# Allegro board Chronos.brd (continued)
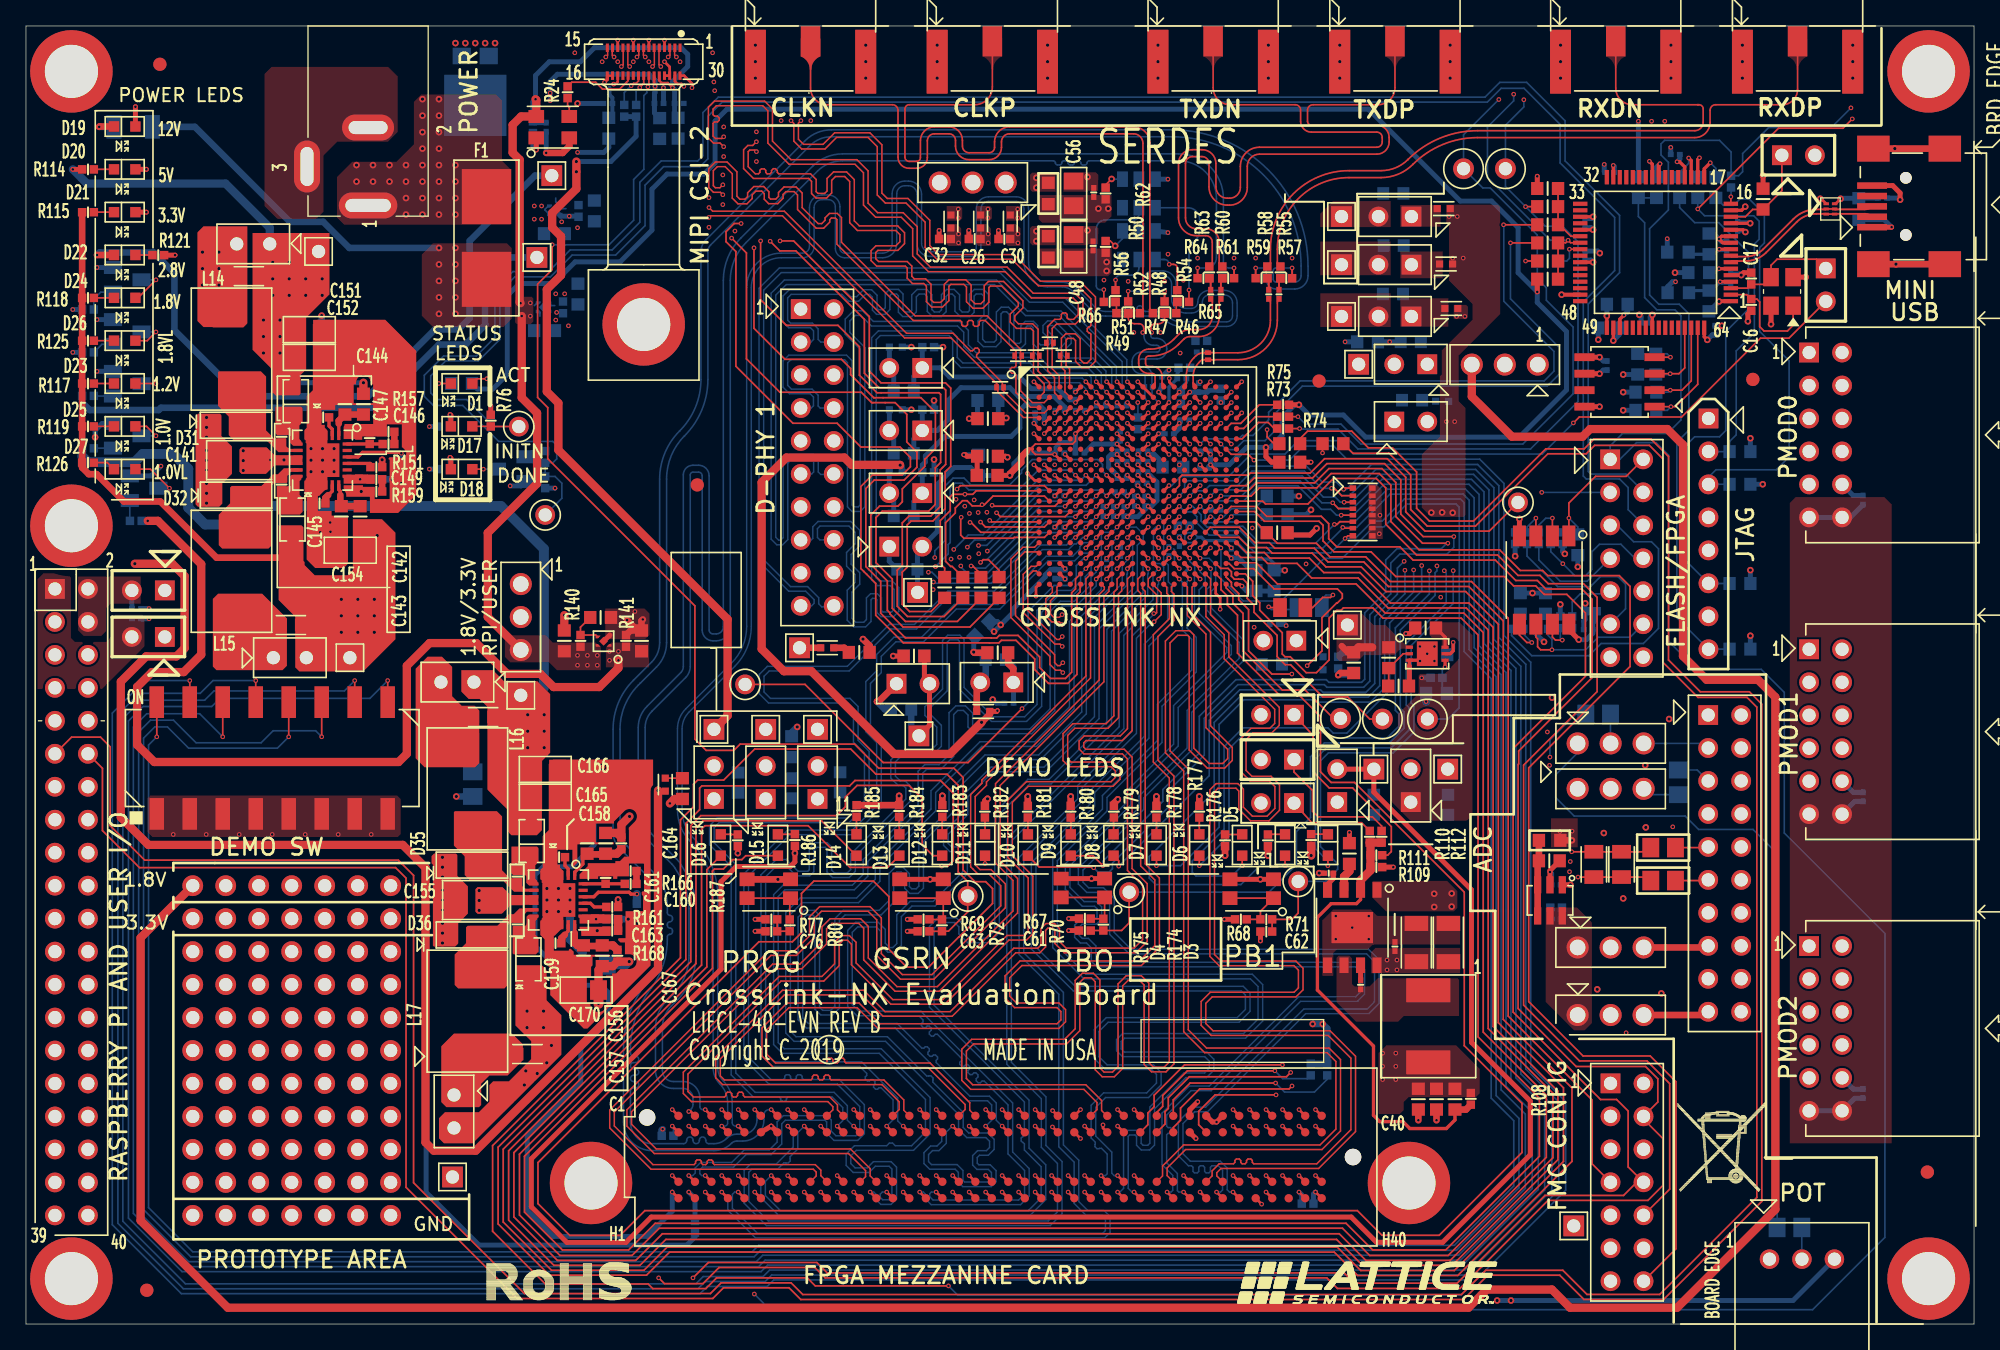
[diagram p0: board, top side]
## Footprints (pads in the part's own frame, mm; a bottom-side part is the same pattern mirrored in y, then rotated) (continued)
UDFN6_040
  rect 0.22x0.42 smd: 1(-0.4,-0.325) 2(0,-0.325) 3(0.4,-0.325) 4(0.4,0.325) 5(0,0.325) 6(-0.4,0.325)
unnamed#2
  round 6.35 hole 4.089 unplated: (0,0)
unnamed#3
  round 1.021 smd: (0,0)
USB_MINI_B-1734035-2
  round 0.9 hole 0.9 unplated: (-2.2,5.25) (2.2,5.25)
  rect 0.5x2.3 smd: 1(-1.6,7.85) 2(-0.8,7.85) 3(0,7.85) 4(0.8,7.85) 5(1.6,7.85)
  rect 2x2.5 smd: 6(-4.45,7.75) 7(-4.45,2.25) 8(4.45,2.25) 9(4.45,7.75)
V12P10
  rect 1.4x1.27 smd: 1(-1.039,-2.766) 2(1.039,-2.766)
  rect 4.8x4.72 smd: 3(0,1.039)
XTAL_4P_7M
  rect 1.4x1.2 smd: 1(-1.1,-0.85) 2(1.1,-0.85) 3(1.1,0.85) 4(-1.1,0.85)
XTAL_AK5DAF1
  rect 0.84x1.2 smd: 1(-1.27,-1.1) 2(0,-1.1) 3(1.27,-1.1) 4(1.27,1.1) 5(0,1.1) 6(-1.27,1.1)

## Nets
+12.0V: C97.1 C98.1 C99.1 C141.1 C155.1 F1.2 R113.2 R151.1 R161.1 U9.C35(12V0#C35) U9.C37(12V0#C37) U10.1(EN) U10.8(VIN) U15.9(VIN1) U15.10(VIN2) U16.9(VIN1) U16.10(VIN2)
GND: AA11.1(TP) AB11.1(TP) AC11.1(TP) AD11.1(TP) AE11.1(TP) AF11.1(TP) AG11.1(TP) C1.2 C2.2 C3.2 C4.2 C5.1 C6.1 C7.2 C8.2 C9.2 C10.1 C11.2 C12.2 C13.2 C14.1 C15.2 C16.1 C17.1 C18.2 C19.2 C20.2 C21.2 C22.2 C23.2 C24.2 C25.2 C26.2 C27.2 C28.2 C29.2 C30.2 C31.2 C32.2 C33.2 C34.2 C35.2 C36.2 C37.2 C38.2 C39.2 C40.2 C41.2 C42.2 C45.1 C46.1 C47.1 C48.2 C49.1 C56.2 C57.1 C58.2 C59.2 C60.2 C61.2 C62.2 C63.2 C64.2 C65.2 C66.2 C67.2 C68.2 C69.2 C70.2 C71.2 C72.2 C73.2 C74.2 C75.2 C76.2 C77.2 C78.2 C79.2 C80.2 C81.2 C82.2 C83.2 C84.2 C85.1 C86.1 C91.2 C92.2 C93.2 C94.2 C95.2 C96.2 C97.2 C98.2 C99.2 C102.2 C103.2 C104.2 C105.2 C106.2 C107.2 C108.2 C109.2 C110.2 C111.2 C112.2 C113.2 C114.2 C115.2 C116.2 C117.2 C118.2 C119.2 C120.2 C121.1 C122.1 C123.1 C124.2 C125.1 C126.2 C127.2 C128.2 C129.2 C130.2 C131.2 C132.2 C133.1 C134.1 C135.2 C136.2 C137.2 C138.2 C139.2 C140.2 C141.2 C144.1 C145.2 C147.2 C148.2 C150.2 C151.2 C152.2 C153.2 C154.2 C155.2 C158.1 C159.2 C161.2 C162.2 C165.2 C166.2 C168.2 C169.2 C170.2 CN1.4(DGND1) CN1.7(DGND2) CN1.10(DGND3) CN1.13(DGND4) CN1.16(DGND5) CN1.17(DGND6) CN1.27(DGND7) CN1.28(DGND8) CN1.30(DGND9) D2.1(GND) D19.1(CATHODE) D20.1(CATHODE) D21.1(CATHODE) D28.1(ANODE1) D28.2(ANODE2) D31.2 D32.2 D35.2 D36.2 J1.7 J2.5(GND) J2.6(CASE#6) J2.7(CASE#7) J2.8(CASE#8) J2.9(CASE#9) J6.1 J6.2 J6.5 J6.6 J6.9 J6.10 J6.13 J6.14 J6.17 J6.18 J10.2(SHIELD1) J10.3(SHIELD2) J10.4(SHIELD3) J10.5(SHIELD4) J11.2(SHIELD1) J11.3(SHIELD2) J11.4(SHIELD3) J11.5(SHIELD4) J12.2(SHIELD1) J12.3(SHIELD2) J12.4(SHIELD3) J12.5(SHIELD4) J13.2 J14.2(SHIELD1) J14.3(SHIELD2) J14.4(SHIELD3) J14.5(SHIELD4) J15.2(SHIELD1) J15.3(SHIELD2) J15.4(SHIELD3) J15.5(SHIELD4) J16.2(SHIELD1) J16.3(SHIELD2) J16.4(SHIELD3) J16.5(SHIELD4) J17.5 J17.11 J18.5 J18.11 J19.5 J19.11 J20.13 J20.14 J25.1 J26.1 J26.2 J26.4 J26.6 J26.7 J26.8 J26.10 J26.12 J26.13 J26.14 J26.16 J26.17 J26.18 J26.20 J27.5 J27.6 J27.11 J27.12 J39.2(GND#2) J39.3(GND#3) JP1.2 JP5.6 JP5.9 JP5.14 JP5.20 JP5.25 JP5.30 JP5.34 JP5.39 JP6.2 JP7.2 JP8.2 Q1.2(EMITTER) Q2.2(EMITTER) Q3.2(EMITTER) Q4.2(EMITTER) Q5.2(EMITTER) Q6.2(EMITTER) R4.2 R13.1 R93.2 R105.2 R109.1 R116.2 R120.2 R121.1 R141.2 R144.2 R145.2 R146.2 R147.2 R148.1 R156.2 R157.2 R158.2 R159.2 R160.2 R166.2 R167.2 R168.2 R169.2 R170.2 R171.1 SW1.1(A1) SW1.2(A2) SW1.3(A3) SW1.4(A4) SW1.5(A5) SW1.6(A6) SW1.7(A7) SW1.8(A8) SW2.2 SW2.4 SW3.2 SW3.4 SW4.2 SW4.4 SW5.2 SW5.4 U1.1(GND#1) U1.5(GND#5) U1.10(AGND) U1.11(GND#11) U1.13(TEST) U1.15(GND#15) U1.25(GND#25) U1.35(GND#35) U1.47(GND#47) U1.51(GND#51) U2.5(VSS) U3.A1(VSSADPHY#A1) U3.A5(VSSADPHY#A5) U3.A11(VSSSD5) U3.A14(VSSSD6) U3.A17(VSSSD11) U3.A20(VSSSD3) U3.B12(VSSSD4) U3.B16(VSSSD9) U3.B19(VSSSD2) U3.C3(VSSADPHY#C3) U3.C6(VSSADPHY#C6) U3.C8(VSSADPHY#C8) U3.C10(VSSADPHY#C10) U3.C15(VSSSD1) U3.C17(VSSSD10) U3.C19(VSSSD8) U3.D19(VSSSD12) U3.D20(VSSSD7) U3.E1(VSSADPHY#E1) U3.E6(VSS#E6) U3.E14(VSS#E14) U3.F10(VSS#F10) U3.F11(VSS#F11) U3.G9(VSS#G9) U3.G10(VSS#G10) U3.G11(VSS#G11) U3.G12(VSS#G12) U3.G16(VSS#G16) U3.H4(VSS#H4) U3.H10(VSS#H10) U3.H11(VSS#H11) U3.J10(VSS#J10) U3.J11(VSS#J11) U3.J17(VSS#J17) U3.K10(VSS#K10) U3.K11(VSS#K11) U3.L4(VSS#L4) U3.L10(VSS#L10) U3.L11(VSS#L11) U3.M8(VSS#M8) U3.M9(VSS#M9) U3.M10(VSS#M10) U3.M11(VSS#M11) U3.M12(VSS#M12) U3.M13(VSS#M13) U3.N18(VSS#N18) U3.P4(VSS#P4) U3.R14(VSSADC) U3.T15(VSS#T15) U3.T19(VSS#T19) U3.U8(VSS#U8) U3.U9(VSS#U9) U3.V13(VSS#V13) U3.W3(VSS#W3) U3.W16(VSS#W16) U3.Y1(VSS#Y1) U3.Y20(VSS#Y20) U4.3(GND) U5.3(GND) U6.4(GND) U7.2(GND) U8.1 U9.C1(GND#C1) U9.C4(GND#C4) U9.C5(GND#C5) U9.C8(GND#C8) U9.C9(GND#C9) U9.C12(GND#C12) U9.C13(GND#C13) U9.C16(GND#C16) U9.C17(GND#C17) U9.C20(GND#C20) U9.C21(GND#C21) U9.C24(GND#C24) U9.C25(GND#C25) U9.C28(GND#C28) U9.C29(GND#C29) U9.C32(GND#C32) U9.C33(GND#C33) U9.C34(GA0) U9.C36(GND#C36) U9.C38(GND#C38) U9.C40(GND#C40) U9.D2(GND#D2) U9.D3(GND#D3) U9.D6(GND#D6) U9.D7(GND#D7) U9.D10(GND#D10) U9.D13(GND#D13) U9.D16(GND#D16) U9.D19(GND#D19) U9.D22(GND#D22) U9.D25(GND#D25) U9.D28(GND#D28) U9.D35(GA1) U9.D37(GND#D37) U9.D39(GND#D39) U9.G1(GND#G1) U9.G4(GND#G4) U9.G5(GND#G5) U9.G8(GND#G8) U9.G11(GND#G11) U9.G14(GND#G14) U9.G17(GND#G17) U9.G20(GND#G20) U9.G23(GND#G23) U9.G26(GND#G26) U9.G29(GND#G29) U9.G32(GND#G32) U9.G35(GND#G35) U9.G38(GND#G38) U9.G40(GND#G40) U9.H3(GND#H3) U9.H6(GND#H6) U9.H9(GND#H9) U9.H12(GND#H12) U9.H15(GND#H15) U9.H18(GND#H18) U9.H21(GND#H21) U9.H24(GND#H24) U9.H27(GND#H27) U9.H30(GND#H30) U9.H33(GND#H33) U9.H36(GND#H36) U9.H39(GND#H39) U10.5(GND) U10.9(EPAD) U11.2(GND) U11.5(EPAD) U12.2(GND) U12.5(EPAD) U13.3(GND) U13.7(EPAD) U14.2(GND) U14.5(TP) U15.3(GND1) U15.4(GND2) U15.5(GND3) U15.6(GND4) U15.13(GND6) U15.14(GND7) U15.15(GND8) U15.16(GND9) U15.25(GND5) U16.3(GND1) U16.4(GND2) U16.5(GND3) U16.6(GND4) U16.13(GND6) U16.14(GND7) U16.15(GND8) U16.16(GND9) U16.25(GND5) X1.2(G1) X1.4(G2) X2.2(GND)
V1P0_LDO: C137.1 C138.1 FB2.2 FB7.2 L6.2 L7.2 L8.2 L9.2 R133.2 R141.1 TP_V1P0_LDO.1(TP) U14.1(OUT)
V1P2: C19.1 C22.1 C110.1 CN1.25(DVDD1V2) R116.1 R123.2 TP_V1P2.1(TP) U11.1(OUT)
V1P8: AA1.1(TP) AB1.1(TP) AC1.1(TP) AD1.1(TP) AE1.1(TP) AF1.1(TP) AG1.1(TP) C20.1 C23.1 C24.1 C109.1 C135.1 C167.2 C169.1 C170.1 CN1.26(DVDD1V8) D34.2 J33.3 J34.1 J35.1 J36.1 J43.2 J44.3 R23.2 R124.2 R134.1 R135.1 R136.1 R140.2 R150.2 R163.2 R165.1 TP_V1P8.1(TP) U11.3(EN) U11.4(IN) U14.4(IN) X2.4(VDD)
V1P8_ADC_VREF: C83.1 J21.1 J22.1 R93.1 U7.5(OUTS) U7.6(OUTF)
V1P8_LDO: C139.1 C140.1 FB1.2 FB3.2 FB4.2 FB5.2 FB6.2 FB8.2 L4.2 L5.2 R132.2 R143.2 R144.1 TP_V1P8_LDO.1(TP) U13.1(VO)
V1P8_VCCADC18: C85.2 C86.2 J23.2 R94.2 U3.R15(VCCADC18) U8.3
V1P8_VCCAUX: C126.1 C127.1 C128.1 C129.1 C130.1 C131.1 C132.1 C133.2 C134.2 J38.1 R138.1 U3.H9(VCCAUX#H9) U3.K9(VCCAUX#K9) U3.K12(VCCAUX#K12) U3.N8(VCCAUXH5) U3.N10(VCCAUXH4) U3.N12(VCCAUXH3)
V2P8: C18.1 C21.1 C112.1 CN1.18(AF_VDD2V8) CN1.29(AVDD2V8) D22.2(ANODE) R120.1 TP_V2P8.1(TP) U12.1(OUT)
V3P3: AA2.1(TP) AB2.1(TP) AC2.1(TP) AD2.1(TP) AE2.1(TP) AF2.1(TP) AG2.1(TP) C1.1 C2.1 C3.1 C4.1 C5.2 C15.1 C111.1 C136.1 C153.1 C154.1 D30.2 J29.1 J30.1 J32.1 J33.1 J41.2 J44.1 JP3.1 L1.2 L3.2 L10.2 L11.2 L12.2 R9.2 R10.1 R11.1 R12.1 R100.2 R101.2 R115.2 R117.2 R118.2 R119.2 R125.2 R126.2 R128.1 R129.1 R131.1 R142.2 R153.2 R155.1 TP_V3P3.1(TP) U1.20(VCCIO#20) U1.31(VCCIO#31) U1.42(VCCIO#42) U1.50(VREGIN) U1.56(VCCIO#56) U2.6(ORG) U2.8(VCC) U9.C39(3V3#C39) U9.D32(3V3AUX) U9.D36(3V3#D36) U9.D38(3V3#D38) U9.D40(3V3#D40) U12.3(EN) U12.4(IN) U13.6(VCC)
V5P0: C150.1 C151.1 C152.1 D29.2 J40.1 JP4.1 R114.2 R152.1 R154.1 TP_V5P0.1(TP)
VBUS: J2.1(VCC) L2.2
VBUS_5V: C8.1 D2.6(VBUS) L2.1
VCC1_8FT: C11.1 C12.1 C13.1 C14.2 U1.12(VCORE#12) U1.37(VCORE#37) U1.49(VREGOUT) U1.64(VCORE#64)
VCC_CORE_V1P0: C113.1 C114.1 C115.1 C116.1 C117.1 C118.1 C119.1 C120.1 C121.2 C122.2 C123.2 C164.1 C165.1 C166.1 C168.1 D33.2 J42.1 R122.2 R149.2 R162.1 R164.1 TP_VCC_CORE_V1P0.1(TP) U3.F9(VCC#F9) U3.F12(VCC#F12) U3.J9(VCC#J9) U3.J12(VCC#J12) U3.L9(VCC#L9) U3.L12(VCC#L12) U3.N9(VCC#N9) U3.N11(VCC#N11)
VCCIO0: C74.1 C75.1 C77.1 C78.1 J20.10 J28.2 R76.1 R79.2 R81.2 R82.1 R84.2 R85.2 R86.2 R87.2 R127.2 R172.1 TP_VCCIO0.1(TP) U3.E15(VCCIO0) U6.8(VCC)
VCCIO1: C64.1 C65.1 C66.1 J1.1 J29.2 R1.1 R2.1 R3.1 R14.2 R18.2 R19.2 R67.1 R68.1 R69.1 R75.2 R128.2 R174.2 R175.2 R176.2 R177.2 R178.2 R179.2 R180.2 R181.2 TP_VCCIO1.1(TP) U3.G17(VCCIO1#G17) U3.J18(VCCIO1#J18)
VCCIO2: C58.1 C59.1 C60.1 J27.1 J27.2 J30.2 R102.1 R103.1 R104.1 R106.2 R107.2 R129.2 R182.2 R183.2 R184.2 R185.2 R186.2 R187.2 RN1.9 RN1.10(9) RN1.11(9) RN1.12(9) RN1.13(9) RN1.14(9) RN1.15(9) RN1.16(9) TP_VCCIO2.1(TP) U3.N17(VCCIO2#N17) U3.U19(VCCIO2#U19)
VCCIO3: C106.1 C107.1 C108.1 J34.2 R134.2 TP_VCCIO3.1(TP) U3.U13(VCCIO3#U13) U3.V15(VCCIO3#V15)
VCCIO4: C94.1 C95.1 C96.1 J35.2 R135.2 TP_VCCIO4.1(TP) U3.T9(VCCIO4#T9) U3.V8(VCCIO4#V8)
VCCIO5: C91.1 C92.1 C93.1 J36.2 R25.1 R26.1 R136.2 TP_VCCIO5.1(TP) U3.V3(VCCIO5)
VCCIO6: C39.1 C40.1 C41.1 C42.1 J31.2 R130.2 TP_VCCIO6.1(TP) U3.L3(VCCIO6#L3) U3.P3(VCCIO6#P3)
VCCIO7: C67.1 C68.1 C69.1 C70.1 C71.1 C72.1 C73.1 J17.6 J17.12 J18.6 J18.12 J19.6 J19.12 J32.2 R131.2 TP_VCCIO7.1(TP) U3.E5(VCCIO7#E5) U3.H3(VCCIO7#H3)
6_INCH_LONG_TRACE: TP4.1(TP) U3.V18(PR47A) U3.V19(PR47B)
10_INCH_LONG_TRACE: TP5.1(TP) U3.W19(PR49A) U3.Y19(PR49B)
12MHZ: JP2.2 U3.L13(PR17A/PCLKT1_2)
125MHZ: R54.1 U4.4(OP)
125MHZ_N: R56.1 U4.5(ON)
200MHZ: R65.1 U5.4(OP)
200MHZ_N: R66.1 U5.5(ON)
A_IN0: R96.1 U8.2
ADBUS0: R5.1 U1.16(ADBUS0)
ADBUS1: R6.1 U1.17(ADBUS1)
ADBUS2: R7.1 U1.18(ADBUS2)
ADBUS3: R8.1 U1.19(ADBUS3)
ADC_IN0: J24.1 R96.2
ADC_IN1N: J26.11 R99.1 U9.G37(LA33_N)
ADC_IN1P: J26.9 R98.1 U9.G36(LA33_P)
CAM0_0N: CN1.11(DATA0_N) R28.2 U3.C1(DPHY0_DN0)
CAM0_0P: CN1.12(DATA0_P) R28.1 U3.B2(DPHY0_DP0)
CAM0_1N: CN1.8(DATA1_N) R29.2 U3.B3(DPHY0_DN1)
CAM0_1P: CN1.9(DATA1_P) R29.1 U3.A3(DPHY0_DP1)
CAM0_2N: CN1.14(DATA2_N) R30.2 U3.D1(DPHY0_DN2)
CAM0_2P: CN1.15(DATA2_P) R30.1 U3.C2(DPHY0_DP2)
CAM0_3N: CN1.5(DATA3_N) R31.2 U3.B4(DPHY0_DN3)
CAM0_3P: CN1.6(DATA3_P) R31.1 U3.A4(DPHY0_DP3)
CAM0_CLKN: CN1.2(CLK_N) R27.2 U3.B1(DPHY0_CKN)
CAM0_CLKP: CN1.3(CLK_P) R27.1 U3.A2(DPHY0_CKP)
CAM0_MCLK: CN1.20(MCLK) R24.2
CAM_RESET: CN1.24(XCLR) U3.W18(PB84A/LRC_GPLL0T_IN)
CAM_SCL: CN1.23(SCL) R26.2 U3.Y5(PB12A/PCLKT5_3)
CAM_SDA: CN1.22(SDA) R25.2 U3.W5(PB12B/PCLKC5_3/VREF5_2)
CSSPIN: J20.8 R88.1 U3.E13(PT78A/MCSN/PCLKT0_1)
DM: D2.3(NC3) D2.4(D-) J2.2(D-) U1.7(DM)
DONE: J20.4 R82.2 R83.2 TP12.1(TP) U3.D12(PT76B/DONE)
DP: D2.2(NC2) D2.5(D+) J2.3(D+) U1.8(DP)
DPHY1_CKN: J6.4 U3.B8(DPHY1_CKN)
DPHY1_CKP: J6.3 U3.A8(DPHY1_CKP)
DPHY1_DN0: J6.8 U3.B7(DPHY1_DN0)
DPHY1_DN1: J6.12 U3.B9(DPHY1_DN1)
DPHY1_DN2: J6.16 U3.B6(DPHY1_DN2)
DPHY1_DN3: J6.20 U3.B10(DPHY1_DN3)
DPHY1_DP0: J6.7 U3.A7(DPHY1_DP0)
DPHY1_DP1: J6.11 U3.A9(DPHY1_DP1)
DPHY1_DP2: J6.15 U3.A6(DPHY1_DP2)
DPHY1_DP3: J6.19 U3.A10(DPHY1_DP3)
DQ0_MOSI: J20.5 R92.1 U3.D13(PT78B/MOSI/MD0)
DQ1_MISO: J20.7 R89.1 U3.D15(PT80A/MISO/MD1/OSC_HI)
DQ2: J20.11 R91.2 U3.D14(PT80B/MD2)
DQ3: J20.9 R90.1 U3.D16(PT82A/MD3)
FLASH_CS: C79.1 J20.2 R84.1 R88.2 U6.1(CS#)
FMC_CLK0_N: U3.W12(PB58B/PCLKC3_1/ADC_CN6) U9.H5(CLK0-M2C_N)
FMC_CLK0_P: U3.Y12(PB58A/PCLKT3_1/ADC_CP6) U9.H4(CLK0-M2C_P)
FMC_CLK1_N: U3.T7(PB18B/PCLKC4_3) U9.G3(CLK1_M2C_N)
FMC_CLK1_P: U3.R7(PB18A/PCLKT4_3) U9.G2(CLK1_M2C_P)
FMC_LA00_CC_N: U3.U11(PB56B/ADC_CN7) U9.G7(LA00_N_CC)
FMC_LA00_CC_P: U3.V11(PB56A/ADC_CP7) U9.G6(LA00_P_CC)
FMC_LA01_CC_N: U3.V12(PB60B/ADC_CN9) U9.D9(LA01_N_CC)
FMC_LA01_CC_P: U3.W13(PB60A/ADC_CP9) U9.D8(LA01_P_CC)
FMC_LA02_N: U3.Y3(PB8B/PCLKC5_1/LLC_GPLL0C_IN/ADC) U9.H8(LA02_N)
FMC_LA02_P: U3.Y2(PB8A/PCLKT5_1/LLC_GPLL0T_IN/ADC) U9.H7(LA02_P)
FMC_LA03_N: U3.Y6(PB22B) U9.G10(LA03_N)
FMC_LA03_P: U3.W6(PB22A) U9.G9(LA03_P)
FMC_LA04_N: U3.W1(PB6B/PCLKC5_0/CDR_RXN1/ADC_CN1/) U9.H11(LA04_N)
FMC_LA04_P: U3.V1(PB6A/PCLKT5_0/CDR_RXP1/ADC_CP1/) U9.H10(LA04_P)
FMC_LA05_N: U3.R6(PB10B/PCLKC5_2/ADC_CN2/COMP3N) U9.D12(LA05_N)
FMC_LA05_P: U3.R5(PB10A/PCLKT5_2/ADC_CP2/COMP3P) U9.D11(LA05_P)
FMC_LA06_N: U3.Y9(PB38B) U9.C11(LA06_N)
FMC_LA06_P: U3.W9(PB38A) U9.C10(LA06_P)
FMC_LA07_N: U3.V7(PB24B/PCLKC4_2) U9.H14(LA07_N)
FMC_LA07_P: U3.W7(PB24A/PCLKT4_2) U9.H13(LA07_P)
FMC_LA08_N: U3.Y8(PB30B) U9.G13(LA08_N)
FMC_LA08_P: U3.Y7(PB30A) U9.G12(LA08_P)
FMC_LA09_N: U3.U7(PB20B) U9.D15(LA09_N)
FMC_LA09_P: U3.V6(PB20A) U9.D14(LA09_P)
FMC_LA10_N: U3.Y10(PB44B/PCLKC4_0) U9.C15(LA10_N)
FMC_LA10_P: U3.W10(PB44A/PCLKT4_0) U9.C14(LA10_P)
FMC_LA11_N: U3.R10(PB34B) U9.H17(LA11_N)
FMC_LA11_P: U3.P10(PB34A) U9.H16(LA11_P)
FMC_LA12_N: U3.T1(PB4B/CDR_RXN0/ADC_CN0/COMP1N) U9.G16(LA12_N)
FMC_LA12_P: U3.U1(PB4A/CDR_RXP0/VREF5_1/ADC_CP0/C) U9.G15(LA12_P)
FMC_LA13_N: U3.P9(PB32B) U9.D18(LA13_N)
FMC_LA13_P: U3.R9(PB32A) U9.D17(LA13_P)
FMC_LA14_N: U3.Y11(PB54B/PCLKC3_0/ADC_CN5) U9.C19(LA14_N)
FMC_LA14_P: U3.W11(PB54A/PCLKT3_0/VREF3_1/ADC_CP5) U9.C18(LA14_P)
FMC_LA15_N: U3.V9(PB36B) U9.H20(LA15_N)
FMC_LA15_P: U3.W8(PB36A) U9.H19(LA15_P)
FMC_LA16_N: U3.P8(PB26B) U9.G19(LA16_N)
FMC_LA16_P: U3.P7(PB26A) U9.G18(LA16_P)
FMC_LA17_N: U3.V10(PB42B) U9.D21(LA17_N_CC)
FMC_LA17_P: U3.U10(PB42A) U9.D20(LA17_P_CC)
FMC_LA18_CC_N: U3.T8(PB28B) U9.C23(LA18_N_CC)
FMC_LA18_CC_P: U3.R8(PB28A) U9.C22(LA18_P_CC)
FMC_LA19_N: U3.T12(PB62B/ADC_CN10) U9.H23(LA19_N)
FMC_LA19_P: U3.U12(PB62A/ADC_CP10) U9.H22(LA19_P)
FMC_LA20_N: U3.T11(PB40B/PCLKC4_1) U9.G22(LA20_N)
FMC_LA20_P: U3.T10(PB40A/PCLKT4_1) U9.G21(LA20_P)
FMC_LA21_N: U3.R13(PB70B/COMP2IN) U9.H26(LA21_N)
FMC_LA21_P: U3.P13(PB70A/COMP2IP) U9.H25(LA21_P)
FMC_LA22_N: U3.U14(PB68B/ADC_CN8) U9.G25(LA22_N)
FMC_LA22_P: U3.V14(PB68A/ADC_CP8) U9.G24(LA22_P)
FMC_LA23_N: U3.R11(PB46B/VREF4_2) U9.D24(LA23_N)
FMC_LA23_P: U3.P11(PB46A) U9.D23(LA23_P)
FMC_LA24_N: U3.W15(PB72B/PCLKC3_2/ADC_CN13) U9.H29(LA24_N)
FMC_LA24_P: U3.W14(PB72A/PCLKT3_2/ADC_CP13) U9.H28(LA24_P)
FMC_LA25_N: U3.P12(PB64B/ADC_CN4) U9.G28(LA25_N)
FMC_LA25_P: U3.R12(PB64A/ADC_CP4) U9.G27(LA25_P)
FMC_LA26_N: U3.T14(PB74B/PCLKC3_3/ADC_CN14) U9.D27(LA26_N)
FMC_LA26_P: U3.T13(PB74A/PCLKT3_3/ADC_CP14) U9.D26(LA26_P)
FMC_LA27_N: U3.Y14(PB66B/COMP1IN) U9.C27(LA27_N)
FMC_LA27_P: U3.Y13(PB66A/COMP1IP) U9.C26(LA27_P)
FMC_LA28_N: U3.V16(PB78B/ADC_CN11) U9.H32(LA28_N)
FMC_LA28_P: U3.U15(PB78A/ADC_CP11) U9.H31(LA28_P)
FMC_LA29_N: U3.Y16(PB76B/COMP3IN) U9.G31(LA29_N)
FMC_LA29_P: U3.Y15(PB76A/COMP3IP) U9.G30(LA29_P)
FMC_LA30_N: U3.U16(PB80B/ADC_CN12) U9.H35(LA30_N)
FMC_LA30_P: U3.V17(PB80A/ADC_CP12) U9.H34(LA30_P)
FMC_LA31_N: U3.W17(PB82B/ADC_CN15) U9.G34(LA31_N)
FMC_LA31_P: U3.Y17(PB82A/ADC_CP15) U9.G33(LA31_P)
FMC_PRSNT: J27.8 R101.1 U3.N20(PR34B) U9.H2(PRSNT-M2C_L)
FMC_SCL: J27.10 R107.1 U3.M20(PR32B) U9.C30(SCL)
FMC_SDA: J27.14 R106.1 U3.M19(PR32A/PCLKT2_1) U9.C31(SDA)
FMC_TCK: J27.3 R105.1 U3.P19(PR36A) U9.D29(TCK)
FMC_TDI: J27.7 R102.2 U3.P20(PR36B) U9.D30(TDI)
FMC_TDO: J27.9 R103.2 U3.P17(PR38A) U9.D31(TDO)
FMC_TMS: J27.13 R104.2 U3.P18(PR38B) U9.D33(TMS)
FMC_VREF: U3.T6(PB16A/VREF4_1) U3.Y18(PB84B/LRC_GPLL0C_IN/VREF3_2) U9.H1(VREF-A-M2C)
FT_EECLK: R11.2 U1.62(EECLK) U2.2(CLK)
FT_EECS: R10.2 U1.63(EECS) U2.1(CS)
FT_EEDATA: R16.1 U1.61(EEDATA) U2.3(DI)
FT_OSCI: C16.2 U1.2(OSCI) X1.1
FT_OSCO: C17.2 JP2.1 U1.3(OSCO) X1.3
FT_REF: R13.2 U1.6(REF)
FT_RSTB: JP1.1 R9.1 U1.14(RESET#)
FT_VPHY: C9.1 C10.2 L3.1 U1.4(VPHY)
FT_VPLL: C6.2 C7.1 L1.1 U1.9(VPLL)
GSRN: C63.1 R72.2 TP7.1(TP) U3.G19(PR13B/PMU_WAKEUP)
INITN: D17.1(CATHODE) J20.6 R76.2 TP10.1(TP) U3.D11(PT74A/INITN)
LED0: D3.1(CATHODE) U3.E17(PR3B)
LED1: D4.1(CATHODE) U3.F13(PR4A)
LED2: D5.1(CATHODE) U3.G13(PR4B)
LED3: D6.1(CATHODE) U3.F14(PR6A)
LED4: D7.1(CATHODE) U3.L16(PR19A/PCLKT1_1)
LED5: D8.1(CATHODE) U3.L15(PR19B)
LED6: D9.1(CATHODE) U3.L20(PR20A/PCLKT1_0)
LED7: D10.1(CATHODE) U3.L19(PR20B)
LED8: D11.1(CATHODE) U3.R17(PR40A)
LED9: D12.1(CATHODE) U3.R18(PR40B)
LED10: D13.1(CATHODE) U3.U20(PR42A)
LED11: D14.1(CATHODE) U3.T20(PR42B)
LED12: D15.1(CATHODE) U3.W20(PR44A)
LED13: D16.1(CATHODE) U3.V20(PR44B)
MCSNO: J20.3 U3.E16(PT82B/MCSNO/MSDO)
OSCN: R49.2 R56.2 R66.2
OSCP: R46.2 R54.2 R65.2
PMOD0_1: J17.1 U3.D10(PL3A/ULC_GPLL0T_IN)
PMOD0_2: J17.2 U3.D9(PL3B/ULC_GPLL0C_IN)
PMOD0_3: J17.3 U3.D7(PL4A)
PMOD0_4: J17.4 U3.D8(PL4B)
PMOD0_7: J17.7 U3.D6(PL6A)
PMOD0_8: J17.8 U3.D5(PL6B)
PMOD0_9: J17.9 U3.D4(PL8A)
PMOD0_10: J17.10 U3.D3(PL8B)
PMOD1_1: J18.1 U3.E10(PL10A)
PMOD1_2: J18.2 U3.E9(PL10B)
PMOD1_3: J18.3 U3.E7(PL11A)
PMOD1_4: J18.4 U3.E8(PL11B)
PMOD1_7: J18.7 U3.E4(PL13A)
PMOD1_8: J18.8 U3.E3(PL13B)
PMOD1_9: J18.9 U3.E2(PL15A)
PMOD1_10: J18.10 U3.F1(PL15B)
PMOD2_1: J19.1 U3.J2(PL17A/PCLKT7_2)
PMOD2_2: J19.2 U3.J1(PL17B)
PMOD2_3: J19.3 U3.K2(PL19A/PCLKT7_1)
PMOD2_4: J19.4 U3.K1(PL19B)
PMOD2_7: J19.7 U3.K3(PL20A/PCLKT7_0)
PMOD2_8: J19.8 U3.K4(PL20B)
PMOD2_9: J19.9 U3.D17(PT84A)
PMOD2_10: J19.10 U3.E18(PT84B)
PROGRAMN: J20.1 R77.1 R172.2 R173.2 U3.E11(PT74B/PROGRAMN)
PS_POR_B: J27.4 R100.1 U3.N19(PR34A/PCLKT2_2) U9.D1(PG_C2M)
PUSHBUTTON0: C61.1 R70.1 TP6.1(TP) U3.G14(PR15A)
PUSHBUTTON1: C62.1 R71.1 TP8.1(TP) U3.G15(PR15B)
R_EXT: R45.1 U3.C14(SD0_REXT)
RASP_5V: C37.1 JP4.2 JP5.2 JP5.4
RASP_ID_SC: JP5.28 R39.1 U3.M4(PL36A)
RASP_ID_SD: JP5.27 R40.1 U3.M7(PL38B)
RASP_IO02: JP5.3 U3.L6(PL30B)
RASP_IO03: JP5.5 U3.L5(PL30A/PCLKT6_0)
RASP_IO04: JP5.7 U3.M3(PL34B)
RASP_IO05: JP5.29 U3.K8(PL26B)
RASP_IO06: JP5.31 U3.L7(PL32A/PCLKT6_1)
RASP_IO07: JP5.26 U3.N5(PL40B)
RASP_IO08: JP5.24 U3.P6(PL46B)
RASP_IO09: JP5.21 U3.K6(PL24B)
RASP_IO10: JP5.19 U3.N4(PL40A)
RASP_IO11: JP5.23 U3.N7(PL42B)
RASP_IO12: JP5.32 U3.L8(PL32B)
RASP_IO13: JP5.33 U3.M5(PL36B)
RASP_IO14: JP5.8 R35.2 U3.M2(PL34A/PCLKT6_2)
RASP_IO15: JP5.10 R36.2 U3.L1(PL27A)
RASP_IO16: JP5.36 U3.N6(PL42A)
RASP_IO17: JP5.11 R38.2 U3.L2(PL27B)
RASP_IO18: JP5.12 R37.2 U3.R2(PL47B)
RASP_IO19: JP5.35 U3.M6(PL38A)
RASP_IO20: JP5.38 U3.R3(PL49A)
RASP_IO21: JP5.40 U3.R4(PL49B)
RASP_IO22: JP5.15 U3.P2(PL44B)
RASP_IO23: JP5.16 U3.P1(PL44A)
RASP_IO24: JP5.18 U3.K7(PL26A)
RASP_IO25: JP5.22 U3.K5(PL24A)
RASP_IO26: JP5.37 U3.P5(PL46A)
RASP_IO27: JP5.13 U3.R1(PL47A)
REF_RETURN_PLL: C43.1 C44.1 C51.1 C52.1 R45.2 U3.B14(SD0_REFRET)
REFCLKN: R43.1 R49.1 R51.1 R52.1 U3.C11(SD0_REFCLKN)
REFCLKN_FMC: R52.2 U9.D5(GBTCLK0-M2C_N)
REFCLKN_SMA: J14.1(CENTER) R51.2
REFCLKP: R43.2 R46.1 R47.1 R48.1 U3.C12(SD0_REFCLKP)
REFCLKP_FMC: R48.2 U9.D4(GBTCLK0-M2C_P)
REFCLKP_SMA: J10.1(CENTER) R47.2
RXD_UART: R17.2 U3.F18(PR10A)
RXDN: C53.1 R58.1 R59.1
RXDN_FMC: R59.2 U9.C7(DP0-M2C_N)
RXDN_SMA: J15.1(CENTER) R58.2
RXDNF: C53.2 R41.1 U3.A15(SD0_RXDN)
RXDP: C50.1 R55.1 R57.1
RXDP_FMC: R57.2 U9.C6(DP0-M2C_P)
RXDP_SMA: J11.1(CENTER) R55.2
RXDPF: C50.2 R41.2 U3.A16(SD0_RXDP)
SCL: R20.2 R39.2 R74.1 TP1.1(TP)
SDA: R21.2 R22.2 R40.2 R73.1 TP2.1(TP)
SHORT_STUB_TRACE: TP3.1(TP) U3.T18(PR46A) U3.U18(PR46B)
SPI_MCLK: C81.1 J20.12 R78.1 R86.1 U6.6(SCLK)
SWITCH0: RN1.8 SW1.16(B1) U3.N14(PR24A)
SWITCH1: RN1.1(8) SW1.15(B2) U3.M14(PR24B)
SWITCH2: RN1.5(8) SW1.14(B3) U3.M16(PR26A)
SWITCH3: RN1.2(8) SW1.13(B4) U3.M15(PR26B)
SWITCH4: RN1.7(8) SW1.12(B5) U3.N15(PR27A)
SWITCH5: RN1.6(8) SW1.11(B6) U3.N16(PR27B)
SWITCH6: RN1.3(8) SW1.10(B7) U3.M17(PR30A/PCLKT2_0)
SWITCH7: RN1.4(8) SW1.9(B8) U3.M18(PR30B)
TCK: J1.8 R4.1 R5.2 R35.1 U3.G18(PR13A/TCK/SCLK/PMU_EXT_CLK)
TDI: J1.3 R2.2 R6.2 R38.1 U3.F17(PR8B/TDI/SSI)
TDO: J1.2 R3.2 R7.2 R36.1 U3.F19(PR10B/TDO/SSO)
TMS: J1.6 R1.2 R8.2 R37.1 U3.F15(PR6B/TMS/SCSN)
TXD_UART: R15.2 U3.F16(PR8A)
TXDN: C55.1 R63.1 R64.1
TXDN_FMC: R64.2 U9.C3(DP0-C2M_N)
TXDN_SMA: J16.1(CENTER) R63.2
TXDNF: C55.2 U3.A12(SD0_TXDN)
TXDP: C54.1 R60.1 R61.1
TXDP_FMC: R61.2 U9.C2(DP0-C2M_P)
TXDP_SMA: J12.1(CENTER) R60.2
TXDPF: C54.2 U3.A13(SD0_TXDP)
UART_ACT: D1.1(CATHODE) R17.1 R18.1 R21.1 U1.39(BDBUS1)
VADJ: C101.1 C103.1 C104.1 L13.2 R108.2 R171.2 TP_VADJ.1(TP) U9.G39(VADJ1) U9.H40(VADJ2)
VREF1_CON: J21.3 J26.19
VREF2_CON: J22.3 J26.15 U9.H37(LA32_P)
N02138: R12.2 R16.2 U2.4(DO)
N06990: C38.1 JP3.2 JP5.1 JP5.17
N16616563: C56.1 C57.2 L11.1 R62.2 U5.6(VCC)
N16616747: J13.1 R62.1 U5.1(OE)
N16632070: R15.1 R19.1 R20.1 U1.38(BDBUS0)
N16632104: R22.1 U1.40(BDBUS2)
N16986163: R85.1 R91.1 U6.3(W#/SIO2)
N16986165: R87.1 R90.2 U6.7(RESET#/SIO3)
N16986190: C80.1 R92.2 U6.5(SI/SIO0)
N16986210: R89.2 U6.2(S0/SIO1)
N16986259: R80.1 SW5.1 SW5.3
N16986267: C76.1 R77.2 R80.2
N16986368: R78.2 U3.E12(PT76A/MCLK/PCLKT0_0)
N16986967: D18.1(CATHODE) Q1.3(COLLECTOR)
N16986992: D18.2(ANODE) R81.1
N17051987: C27.1 C28.1 J3.1 R32.1 U3.D2(VCCADPHY0)
N17052185: C33.1 C34.1 J4.1 R33.1 U3.B5(VCCPLLDPHY0)
N17052239: C35.1 C36.1 J5.1 R34.1 U3.C4(VCCDPHY0)
N17055174: R75.1 U3.E19(JTAG_EN/JTAG)
N17055619: R67.2 R70.2 SW2.1 SW2.3
N17055696: R68.2 R71.2 SW3.1 SW3.3
N17070358: FB1.1 J7.1 R42.1
N17070375: C43.2 C44.2 J7.2 R42.2 TP_V1P8_VCCPLLSD.1(TP) U3.C13(VCCPLLSD0)
N17075797: D28.3(K) F1.1 J39.1(+5V)
N17075854: J40.2 L14.1 R152.2
N17075864: C149.2 R159.1
N17075866: C148.1 C149.1 U15.19(VC2)
N17075880: R155.2 R160.1 U15.18(FB2)
N17075896: J41.1 L15.1 R153.1
N17075942: C143.2 D32.1 L15.2 U15.11(SW2)
N17076139: R158.1 U15.22(RT/SYNC)
N17076167: C143.1 D30.1 U15.12(BOOST2)
N17076187: C145.1 U15.17(TRACK/SS2)
N17076206: R154.2 R156.1 U15.1(FB1)
N17076208: C142.1 D31.1 L14.2 U15.8(SW1)
N17076267: C146.1 C147.1 U15.24(VC1)
N17076279: C146.2 R157.1
N17076283: C142.2 D29.1 U15.7(BOOST1)
N17076342: C144.2 U15.2(TRACK/SS1)
N17078978: J42.2 L16.1 R162.2
N17078984: C157.2 D36.1 L17.2 U16.11(SW2)
N17078989: C164.2 R164.2 R169.1 U16.1(FB1)
N17079013: C167.1 R165.2 R170.1 U16.18(FB2)
N17079015: C157.1 D34.1 U16.12(BOOST2)
N17079060: C160.1 C161.1 U16.24(VC1)
N17079075: C160.2 R166.1
N17079092: C163.2 R168.1
N17079096: C156.2 D33.1 U16.7(BOOST1)
N17079109: C156.1 D35.1 L16.2 U16.8(SW1)
N17079126: C162.1 C163.1 U16.19(VC2)
N17079253: C158.2 U16.2(TRACK/SS1)
N17079439: R167.1 U16.22(RT/SYNC)
N17079459: C159.1 U16.17(TRACK/SS2)
N17079480: J43.1 L17.1 R163.1
N17094496: R23.1 X2.1(STDBY#)
N17094502: R24.1 X2.3(OUT)
N17096100: FB6.1 J38.2 R138.2
N17103877: J28.1 J44.2 R127.1
N17104181: J31.1 J33.2 R130.1
N17109649: C25.1 C26.1 L4.1 U3.C7(VCCADPHY1)
N17109693: C29.1 C30.1 L6.1 U3.C9(VCCPLLDPHY1)
N17109747: C31.1 C32.1 L8.1 U3.C5(VCCDPHY1)
N17168384: J21.2 U3.N13(ADC_REFP0)
N17168405: J22.2 U3.P14(ADC_REFP1)
N17171321: J25.3 R97.1
N17171375: J24.3 J26.3
N17171414: J24.2 R95.1
N17171687: C89.1 C90.1 R98.2 U3.T17(ADC_DP1)
N17197718: D26.2(ANODE) R125.1
N17197719: D27.2(ANODE) R126.1
N17197780: D27.1(CATHODE) Q6.3(COLLECTOR)
N17197781: D26.1(CATHODE) Q5.3(COLLECTOR)
N17200489: R69.2 R72.1 SW4.1 SW4.3
N17232620: D11.2(ANODE) R182.1
N17232622: D12.2(ANODE) R183.1
N17232650: D13.2(ANODE) R184.1
N17232670: D14.2(ANODE) R185.1
N17232716: D15.2(ANODE) R186.1
N17232718: D16.2(ANODE) R187.1
N17247466: C82.1 L12.1 U7.3(EN) U7.4(IN)
N17247856: C84.1 U7.1(FILTER)
N17274099: D9.2(ANODE) R180.1
N17274101: D7.2(ANODE) R178.1
N17274103: D10.2(ANODE) R181.1
N17274105: D8.2(ANODE) R179.1
N17274184: D3.2(ANODE) R174.1
N17274186: D4.2(ANODE) R175.1
N17274224: D5.2(ANODE) R176.1
N17274244: D6.2(ANODE) R177.1
N17274753: R73.2 U3.E20(PR11A/SDA)
N17274811: R74.2 U3.F20(PR11B/SCL)
N17277478: J26.5 R97.2
N17318347: R140.1 R145.1 U14.3(EN)
N17319505: R142.1 R146.1 U13.4(EN)
N17320608: R143.1 R148.2 U13.2(FB)
N17321965: FB7.1 R149.1
N17323470: FB8.1 R150.1
N17329427: J3.2 L5.1 R32.2
N17329480: J4.2 L7.1 R33.2
N17329573: J5.2 L9.1 R34.2
N17361222: C87.1 C88.1 R95.2 U3.R16(ADC_DP0)
N17419156: FB5.1 J37.2 R137.2
N17419161: C124.1 C125.2 J37.1 R137.1 U3.H12(VCCAUXA)
N17423140: TP13.1(TP) U3.U6(PB16B)
N17423319: TP9.1(TP) U3.L14(PR17B)
N17431307: C51.2 C52.2 J9.2 R53.2 TP_V1P8_VCCAUXSD.1(TP) U3.B11(VCCAUXSD)
N17431309: FB3.1 J9.1 R53.1
N17433122: C45.2 C46.2 C47.2 J8.2 R44.2 TP_V1P0_VCCSD.1(TP) U3.B13(VCCSD0_2) U3.B15(VCCSD0_1)
N17433124: FB2.1 J8.1 R44.1
N17442859: R147.1 U13.5(NC)
N17443432: FB4.1 J23.1 R94.1
N17453585: C87.2 C88.2 J25.2 U3.T16(ADC_DN0)
N17456025: C89.2 C90.2 R99.2 U3.U17(ADC_DN1)
N17501322: C48.1 C49.2 L10.1 R50.2 U4.6(VCC)
N17501372: J13.3 R50.1 U4.1(OE)
N17536721: C105.1 U10.4(SS)
N17536725: C102.1 U10.3(VREG)
N17538930: C100.2 L13.1 U10.6(SW)
N17539158: C101.2 R108.1 R109.2 R110.2 R111.2 R112.2 U10.2(FB)
N17540408: C100.1 U10.7(BOOT)
N17591276: R173.1 U1.24(ADBUS7)
N17693161: Q1.1(BASE) R83.1
N17693448: D20.2(ANODE) R114.1
N17693449: D21.2(ANODE) R115.1
N17693484: D19.2(ANODE) R113.1
N17693556: D23.1(CATHODE) Q2.3(COLLECTOR)
N17693557: D24.1(CATHODE) Q4.3(COLLECTOR)
N17693688: D23.2(ANODE) R117.1
N17693808: D24.2(ANODE) R118.1
N17693849: D22.1(CATHODE) R121.2
N17694021: D25.2(ANODE) R119.1
N164993090: D1.2(ANODE) R14.1
N169870170: D17.2(ANODE) R79.1
N170760801: R151.2 U15.21(S\H\D\N\)
N170793521: R161.2 U16.21(S\H\D\N\)
N170861300: Q2.1(BASE) R123.1
N170862041: Q4.1(BASE) R124.1
N170866601: Q5.1(BASE) R132.1
N170866871: Q6.1(BASE) R133.1
N171045551: D25.1(CATHODE) Q3.3(COLLECTOR)
N171045661: Q3.1(BASE) R122.1
N175391551: JP6.1 R112.1
N175391840: JP7.1 R111.1
N175403271: JP8.1 R110.1

Pads without a net: AA3 1; AA4 1; AA5 1; AA6 1; AA7 1; AA8 1; AA9 1; AA10 1; AB3 1; AB4 1; AB5 1; AB6 1; AB7 1; AB8 1; AB9 1; AB10 1; AC3 1; AC4 1; AC5 1; AC6 1; AC7 1; AC8 1; AC9 1; AC10 1; AD3 1; AD4 1; AD5 1; AD6 1; AD7 1; AD8 1; AD9 1; AD10 1; AE3 1; AE4 1; AE5 1; AE6 1; AE7 1; AE8 1; AE9 1; AE10 1; AF3 1; AF4 1; AF5 1; AF6 1; AF7 1; AF8 1; AF9 1; AF10 1; AG3 1; AG4 1; AG5 1; AG6 1; AG7 1; AG8 1; AG9 1; AG10 1; CN1 1 19 21; J1 4 5; J2 4; U1 21 22 23 26 27 28 29 30 32 33 34 36 41 43 44 45 46 48 52 53 54 55 57 58 59 60; U2 7; U3 A18 A19 B17 B18 B20 C16 C18 C20 D18 F2 F3 F4 F5 F6 F7 F8 G1 G2 G3 G4 G5 G6 G7 G8 G20 H1 H2 H5 H6 H7 H8 H13 H14 H15 H16 H17 H18 H19 H20 J3 J4 J5 J6 J7 J8 J13 J14 J15 J16 J19 J20 K13 K14 K15 K16 K17 K18 K19 K20 L17 L18 M1 N1 N2 N3 P15 P16 R19 R20 T2 T3 T4 T5 U2 U3 U4 U5 V2 V4 V5 W2 W4 Y4; U4 2; U5 2; U9 D34 H38; U15 20 23; U16 20 23